# KiCad board CA80.kicad_pcb (continued)
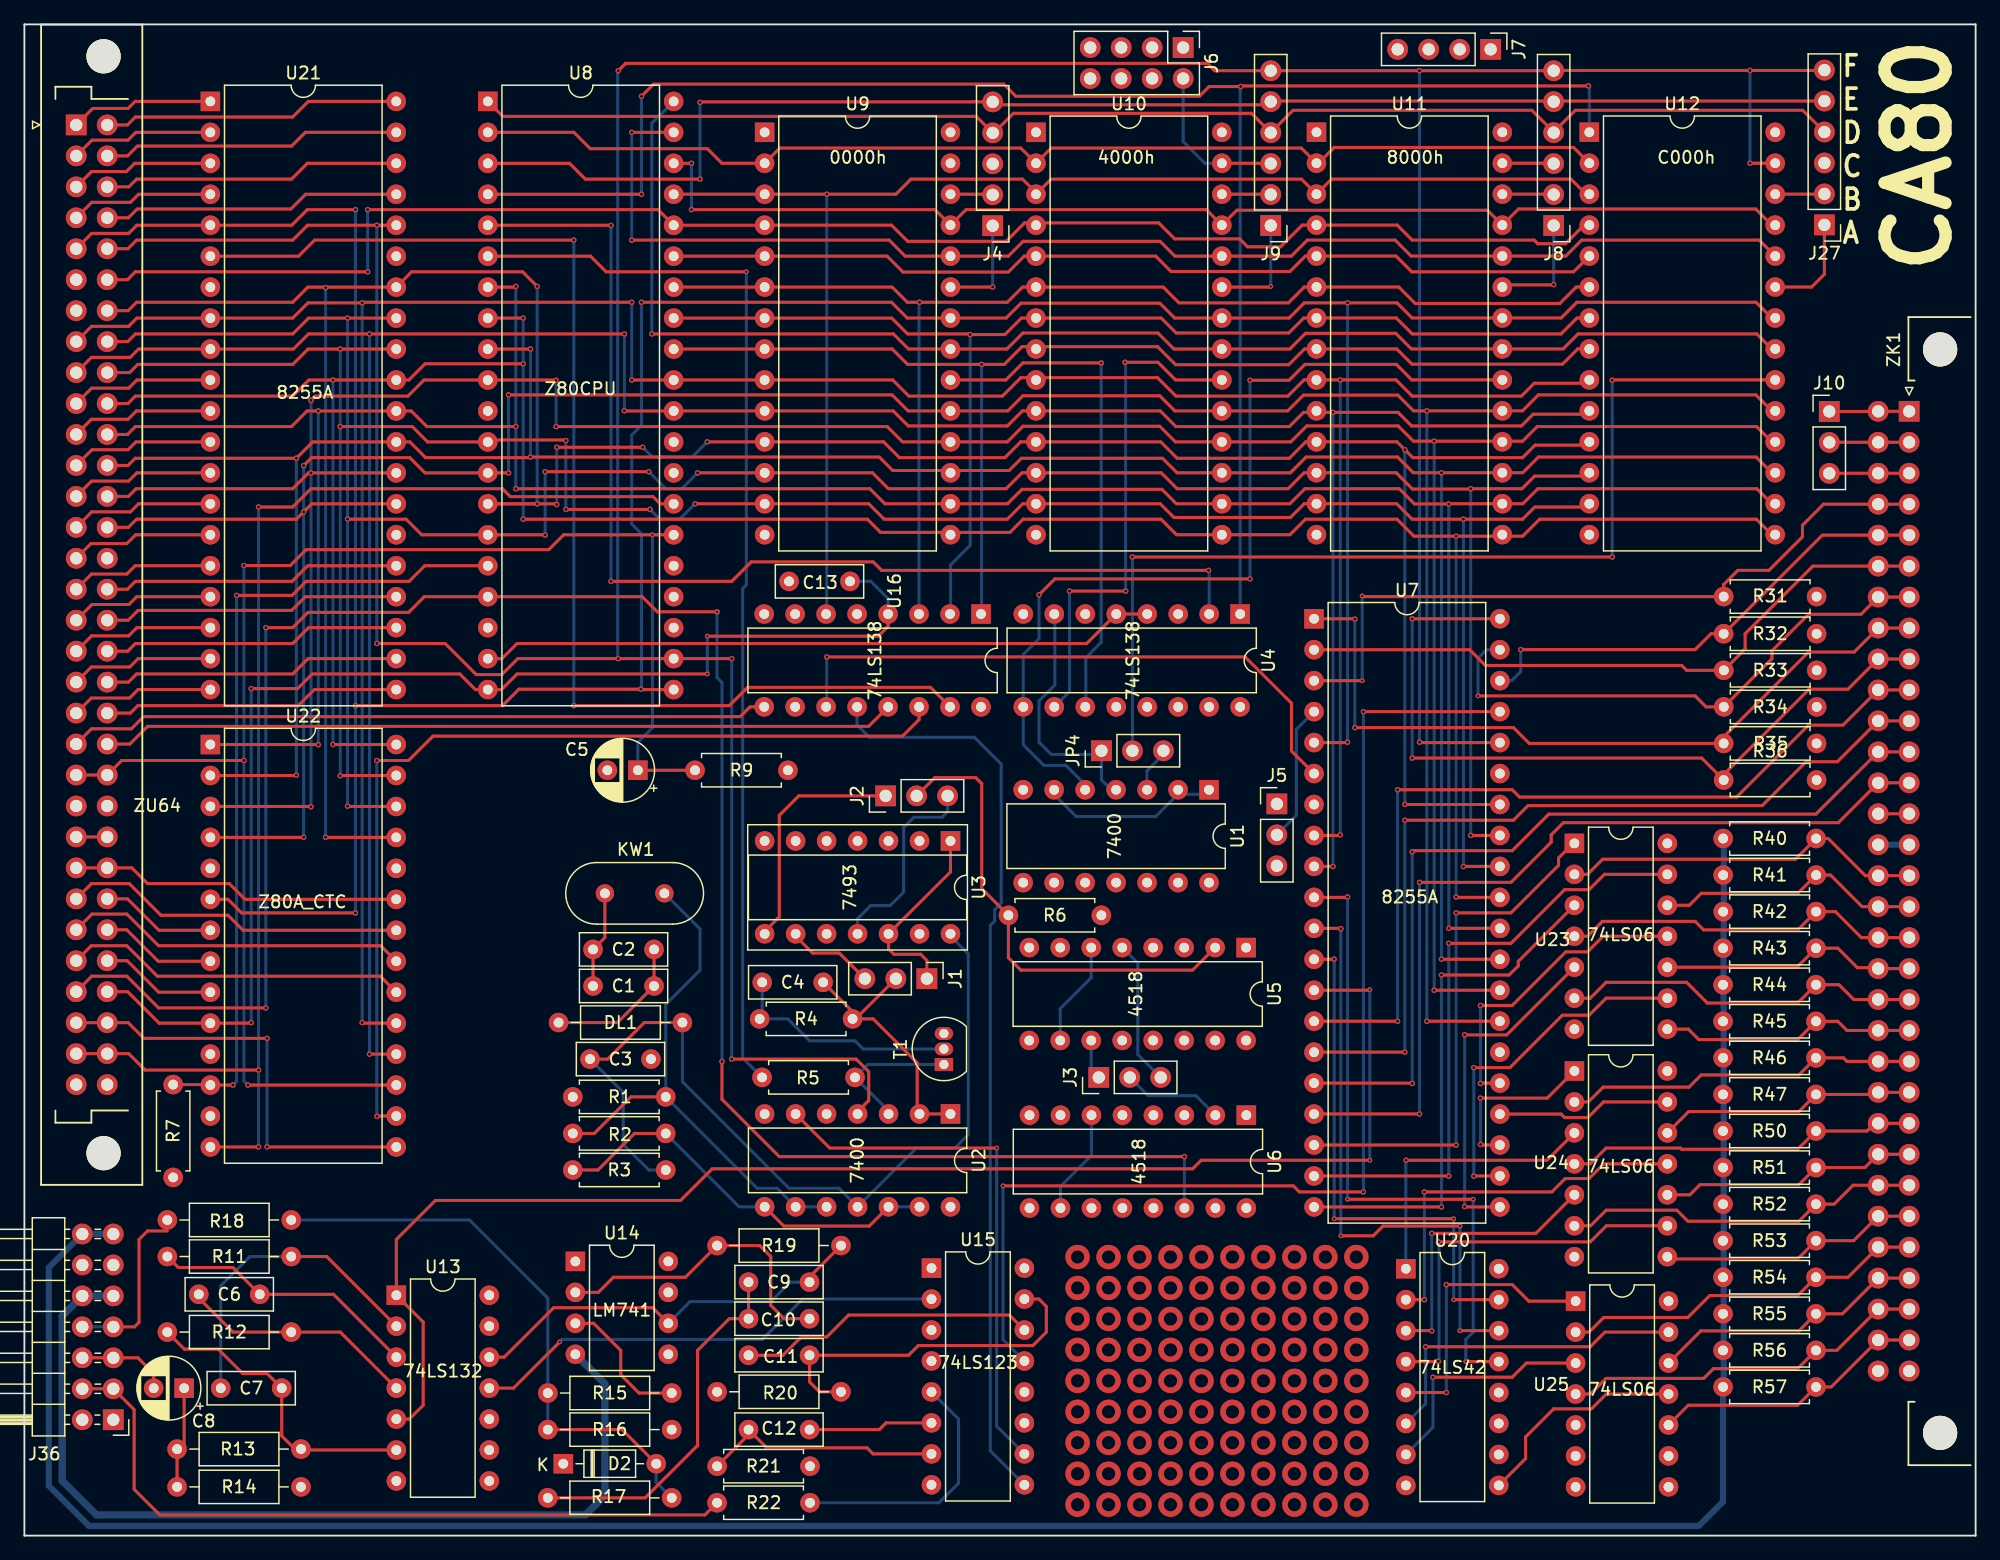
[diagram p0: board, top side]
## Nets (continued)
Net-(JP4-B): JP4.3 U1.3
Net-(KW1-Pad1): KW1.1 R1.2 R2.2 U2.9 U2.10
Net-(R2-Pad1): R2.1 R3.1 U2.8 U2.12 U2.13
Net-(T1-B): C4.1 R4.1 T1.2
Net-(T1-C): R5.2 T1.1 U2.3
Net-(U1-Pad1): U1.1 U1.2 U1.6
Net-(U5A-Q4): U5.6 U5.10
Net-(U6A-Q4): U6.6 U6.10
Net-(U14-+): R15.2 U14.3
Net-(U14--): C10.1 R19.1 U14.2
Net-(U15A-B): U13.11 U15.2
Net-(U15A-Cext): C11.1 U15.14
Net-(U15A-RCext): C11.2 R20.2 U15.15
Net-(U15B-A): U15.9 U16.12
Net-(U15B-B): U2.6 U15.10
Net-(U15B-Cext): C12.2 U15.6
Net-(U15B-Q): R22.1 U15.5
Net-(U15B-RCext): C12.1 R21.1 U15.7
Net-(U20-0): U20.1 U24.3
Net-(U20-1): U20.2 U24.11
Net-(U20-2): U20.3 U24.5
Net-(U20-3): U20.4 U24.9
Net-(U20-4): U20.5 U25.1
Net-(U20-5): U20.6 U25.13
Net-(U20-6): U20.7 U25.3
Net-(U20-7): U20.9 U25.11
Net-(ZK1-14A): ZK1.A14 ZK1.B14
Net-(ZK1-16A): R40.1 U23.2 ZK1.A16 ZK1.B16
Net-(ZK1-17A): R41.1 U23.12 ZK1.A17 ZK1.B17
Net-(ZK1-18A): R42.1 U23.4 ZK1.A18 ZK1.B18
Net-(ZK1-19A): R43.1 U23.10 ZK1.A19 ZK1.B19
Net-(ZK1-20A): R44.1 U23.6 ZK1.A20 ZK1.B20
Net-(ZK1-21A): R45.1 U23.8 ZK1.A21 ZK1.B21
Net-(ZK1-22A): R46.1 U24.2 ZK1.A22 ZK1.B22
Net-(ZK1-23A): R47.1 U24.12 ZK1.A23 ZK1.B23
Net-(ZK1-24A): R50.1 U24.4 ZK1.A24 ZK1.B24
Net-(ZK1-25A): R51.1 U24.10 ZK1.A25 ZK1.B25
Net-(ZK1-26A): R52.1 U24.6 ZK1.A26 ZK1.B26
Net-(ZK1-27A): R53.1 U24.8 ZK1.A27 ZK1.B27
Net-(ZK1-28A): R54.1 U25.2 ZK1.A28 ZK1.B28
Net-(ZK1-29A): R55.1 U25.12 ZK1.A29 ZK1.B29
Net-(ZK1-30A): R56.1 U25.4 ZK1.A30 ZK1.B30
Net-(ZK1-31A): R57.1 U25.10 ZK1.A31 ZK1.B31
Net-(ZU64-24A): ZU64.A24 ZU64.B24

Pads without a net: J6 4 6 8; U1 7 8 11 14; U3 4 6 7 10 13; U4 12 13 14 15; U5 3 4 12 13 14; U6 3 4 5 11 12 13; U13 8; U14 1 5 8; U15 4 12; U20 10 11; U22 11; U25 6 8; ZU64 b32

## Via types
v1: diameter 2, hole 1.1, Top to Bottom, 90 vias
v2: diameter 0.45, hole 0.25, Top to Bottom, 185 vias
v3: diameter 0.4, hole 0.2, Top to Bottom, 22 vias
v4: diameter 0.45, hole 0.2, Top to Bottom, 3 vias

## Routing (per net, layer and track width the routed paths; a pad name or vN(x,y) marks a point on that pad's centre or on a via; arc(x,y) is an arc through that point)
/+30V: length 218.3
  Bottom w0.5: R40.2 139.35,57.15 139.35,49.6 139.32,49.57 139.32,43.55 ; J36.13 J36.14 2,22 2,4.1 5.3,0.8 137.3,0.8 139.29,2.79 R57.2 139.34,12.25 139.34,43.6
GND: length 0
  Bottom w1: 127.08,22.9 U24.7
VCC: length 3
  Bottom w0.5: 151.7,57 ZK1.B15 ZK1.A15
VEE: length 77.3
  Bottom w0.6: U14.4 47.6,12.46 47.6,3.3 46,1.7 5.9,1.7 3.1,4.5 3.1,18.02 J36.10 J36.9
(no net):
  vias: v1(86.36,22.86) v1(86.36,20.32) v1(86.36,17.78) v1(86.36,15.24) v1(86.36,12.7) v1(86.36,10.16) v1(86.36,7.62) v1(86.36,5.08) v1(86.36,2.54) v1(88.9,22.86) v1(88.9,20.32) v1(88.9,17.78) v1(88.9,15.24) v1(88.9,12.7) v1(88.9,10.16) v1(88.9,7.62) v1(88.9,5.08) v1(88.9,2.54) v1(91.44,22.86) v1(91.44,20.32) v1(91.44,17.78) v1(91.44,15.24) v1(91.44,12.7) v1(91.44,10.16) v1(91.44,7.62) v1(91.44,5.08) v1(91.44,2.54) v1(93.98,22.86) v1(93.98,20.32) v1(93.98,17.78) v1(93.98,15.24) v1(93.98,12.7) v1(93.98,10.16) v1(93.98,7.62) v1(93.98,5.08) v1(93.98,2.54) v1(96.52,22.86) v1(96.52,20.32) v1(96.52,17.78) v1(96.52,15.24) v1(96.52,12.7) v1(96.52,10.16) v1(96.52,7.62) v1(96.52,5.08) v1(96.52,2.54) v1(99.06,22.86) v1(99.06,20.32) v1(99.06,17.78) v1(99.06,15.24) v1(99.06,12.7) v1(99.06,10.16) v1(99.06,7.62) v1(99.06,5.08) v1(99.06,2.54) v1(101.6,22.86) v1(101.6,20.32) v1(101.6,17.78) v1(101.6,15.24) v1(101.6,12.7) v1(101.6,10.16) v1(101.6,7.62) v1(101.6,5.08) v1(101.6,2.54) v1(104.14,22.86) v1(104.14,20.32) v1(104.14,17.78) v1(104.14,15.24) v1(104.14,12.7) v1(104.14,10.16) v1(104.14,7.62) v1(104.14,5.08) v1(104.14,2.54) v1(106.68,22.86) v1(106.68,20.32) v1(106.68,17.78) v1(106.68,15.24) v1(106.68,12.7) v1(106.68,10.16) v1(106.68,7.62) v1(106.68,5.08) v1(106.68,2.54) v1(109.22,22.86) v1(109.22,20.32) v1(109.22,17.78) v1(109.22,15.24) v1(109.22,12.7) v1(109.22,10.16) v1(109.22,7.62) v1(109.22,5.08) v1(109.22,2.54)
/1MHz: length 39.5
  Top w0.25: U5.2 95.79,46.4 81.7,46.4 80.69,47.41 R6.1 78.5,53.09 78.5,61.7 78,62.2 74.66,62.2 J2.2
/4MHz: length 22.8
  Top w0.25: J1.2 68.16,42.4 R4.2 ; C4.2 67.91,42.99 R4.2 ; U2.1 U2.2 73.21,34.79 73.21,38.79 69.6,42.4 R4.2 ; 68.2,42.7 68.45,42.7
/8MHZ: length 73.5
  Top w0.25: C3.2 47.83,39.1 50.83,42.1 DL1.2
  Bottom w0.25: 75.75,49.38 77.4,47.73 77.4,32.9 76.3,31.8 73.14,31.8 U2.11 66.8,28.5 62.7,28.5 53.96,37.24 DL1.2 ; R3.2 51.2,30 49.1,32.1 49.1,36.38 C3.2
/50KHz: length 8.3
  Bottom w0.25: U6.2 96.06,36.1 92.14,36.1 J3.2
/A0: length 234.7
  Top w0.25: v2(49.2,98.6) v2(28.3,98.6) 23.3,98.6 22.06,97.36 9.36,97.36 8.68,96.67 5.5,96.67 ZU64.A9 ; 128.32,92.02 123.72,92.02 122.75,91.05 113.75,91.05 112.64,92.17 v2(107.3,92.17) 104.89,92.17 103.72,91 94.42,91 93.14,92.28 81.83,92.28 80.6,91.05 72.47,91.05 71.24,92.28 53.24,92.28 U8.30 49.22,92.28 ; v2(107.3,54.9) 107.29,54.91 U7.9 ; U22.18 28.31,39.51 v2(28.3,39.5)
  Bottom w0.25: v2(28.3,39.5) v2(28.3,98.6) ; v2(49.2,98.6) v2(49.2,92.3) ; v2(107.3,54.9) v2(107.3,92.17)
/A1: length 236.5
  Top w0.25: v2(27.7,42.1) 27.75,42.05 U22.19 ; ZU64.A8 5.5,99.22 8.54,99.22 9.22,99.9 22,99.9 23.25,101.15 v2(27.7,101.15) 27.75,101.2 v2(49.8,101.2) ; v2(107.9,57.5) 107.85,57.45 U7.8 ; v2(49.8,94.82) U8.31 53.24,94.83 71.2,94.83 72.53,93.5 80.2,93.5 81.72,95.02 92.91,95.02 94.42,93.5 103.6,93.5 104.93,94.83 v2(107.9,94.83) 112.47,94.83 113.8,93.5 122.75,93.5 123.81,94.56 128.32,94.56
  Bottom w0.25: v2(49.8,101.2) v2(49.8,94.82) ; v2(107.9,94.83) v2(107.9,57.5) ; v2(27.7,101.15) v2(27.7,42.1)
/A2: length 98.9
  Top w0.25: U8.32 53.24,97.36 U9.8 71.16,97.36 72.42,96.1 v2(78.5,96.1) 80.35,96.1 81.81,97.56 92.92,97.56 94.4,96.08 103.67,96.08 104.97,97.37 112.53,97.37 113.78,96.12 126.12,96.12 127.37,97.37 U12.8
  Bottom w0.25: U16.1 78.49,75.67 78.49,96.09 v2(78.5,96.1)
/A3: length 101.9
  Top w0.25: U12.7 127.31,99.91 126,98.6 113.8,98.6 112.49,99.91 104.91,99.91 103.68,98.68 94.44,98.68 93.22,99.91 81.75,99.91 80.4,98.55 v2(77.55,98.55) 77.5,98.6 72.42,98.6 71.12,99.9 U8.33
  Bottom w0.25: U16.2 75.95,75.67 75.95,79.65 77.55,81.25 v2(77.55,98.55)
/A4: length 103.9
  Top w0.25: U8.34 53.24,102.44 71.16,102.44 72.4,101.2 v2(73.4,101.2) 80.6,101.2 81.84,102.44 93.38,102.44 94.67,101.15 103.65,101.15 104.95,102.45 112.7,102.45 114.05,101.1 125.9,101.1 127.25,102.45 U12.6
  Bottom w0.25: U16.3 73.36,101.16 v2(73.4,101.2)
/A5: length 78.3
  Top w0.25: U8.35 53.24,104.98 70.74,104.98 72.05,103.67 80.67,103.67 81.98,104.98 92.77,104.98 94.03,103.72 103.78,103.72 105.04,104.99 112.47,104.99 113.76,103.7 127.03,103.7 U12.5
/A6: length 131.3
  Top w0.25: v2(28.15,108.8) 51.96,108.8 U8.36 60.7,107.52 U9.4 71.1,107.53 72.42,106.2 80.5,106.2 82.02,107.72 93.01,107.72 94.33,106.4 99.65,106.4 100.3,105.75 103,105.75 104.78,107.53 112.57,107.53 113.8,106.3 123.8,106.3 124.1,106 126.36,106 127.61,107.25 128.32,107.25 ; v2(28.15,103.7) 9.1,103.7 8.45,103.05 ZU64.B6
  Bottom w0.25: v2(28.15,108.8) v2(28.15,103.7)
/A7: length 112.8
  Top w0.25: U8.37 53.24,110.06 v2(65.8,110.06) 71.46,110.06 72.69,111.3 81.85,111.3 83.08,110.06 83.08,110.2 84.19,111.3 104.72,111.3 U11.3 107.18,111.3 126.82,111.3 128.32,109.8
  Bottom w0.25: v2(65.8,110.06) 65.79,110.06 65.79,75.67 U16.6
/A8: length 97.9
  Top w0.25: U8.38 v2(54.7,112.6) ; v2(54.7,108.8) 74.67,108.8 U9.25 77.22,108.8 96.92,108.8 U10.25 99.42,108.75 119.97,108.75 U11.25 122.51,108.85 141.97,108.85 143.56,107.25
  Bottom w0.25: v2(54.7,112.6) v2(54.7,108.8)
/A9: length 109.8
  Top w0.25: 49.8,106.22 v2(49.8,106.3) 70.91,106.3 72.22,104.98 80.69,104.98 81.9,106.2 93.12,106.2 94.34,104.98 103.89,104.98 105.2,106.3 112.4,106.3 113.71,104.99 126.39,104.99 127.7,106.3 142.25,106.3 U12.24 ; v2(49.8,115.14) U8.39
  Bottom w0.25: v2(49.8,115.14) v2(49.8,106.3)
/A10: length 115.7
  Top w0.25: v2(51.45,98.6) 71.26,98.6 72.5,97.36 80.56,97.36 81.88,98.68 92.94,98.68 94.26,97.36 103.77,97.36 105.05,98.65 112.45,98.65 113.73,97.37 126.17,97.37 127.4,98.6 142.06,98.6 143.56,97.09
  Bottom w0.25: v2(51.45,98.6) 51.45,115.89 U8.40
/A11: length 115.3
  Top w0.25: 79.1,115.1 79.5,115.1 81.1,116.7 100.62,116.7 J9.4 104.03,116.95 123.62,116.95 125.4,115.17 127.18,116.95 145.82,116.95 J27.4 ; U8.1 39.23,116.45 78.05,116.45 J4.4
/A12: length 94.5
  Top w0.25: U8.2 45.06,115.14 46.4,113.8 56,113.8 57.2,112.61 U9.2 61.95,113.85 81.7,113.85 U10.2 84.19,113.85 104.71,113.85 U11.2 106.11,112.61 107.4,113.9 127.03,113.9 U12.2
/A13: length 117
  Top w0.25: v2(55.4,117.6) 55.44,117.64 J4.5 ; U8.3 44.7,112.6 46,111.3 v2(55.4,111.3) ; J27.5 102.25,117.71 J9.5 101.94,117.4 79.34,117.4 79.1,117.64
  Bottom w0.25: v2(55.4,111.3) v2(55.4,117.6)
/A14: length 146.6
  Top w0.25: v2(50.6,110.06) U8.4 ; v2(50.6,118.1) 51.6,119.1 80.3,119.1 81.3,118.1 96.35,118.1 97.15,118.9 v2(99.74,118.9) 99.79,118.95 v2(128.25,118.95)
  Bottom w0.25: v2(99.74,118.9) 99.69,118.85 U4.1 ; U12.1 128.32,118.88 v2(128.25,118.95) ; v2(50.6,118.1) v2(50.6,110.06)
/A15: length 92.9
  Top w0.25: v2(97.1,79.2) 70.3,79.2 69.6,79.9 59.6,79.9 58,78.3 v2(48.1,78.3) ; v2(48.1,107.5) 48.08,107.52 U8.5
  Bottom w0.25: v2(48.1,78.3) v2(48.1,107.5) ; U4.2 97.15,79.15 v2(97.1,79.2)
/CLK: length 35.7
  Top w0.25: ZU64.A30 8.51,42.09 9.8,40.8 v2(19.9,40.8) ; v2(19.9,31.9) 19.91,31.89 U22.15
  Bottom w0.25: v2(19.9,40.8) v2(19.9,31.9)
/CLK0: length 27.3
  Top w0.25: ZU64.A25 ZU64.B25 8.81,54.79 10.1,53.5 16.8,53.5 18.09,52.21 U22.23
/CLK1: length 28.3
  Top w0.25: U22.22 17.93,49.67 16.7,50.9 11.2,50.9 8.6,53.5 5.5,53.5 ZU64.A26
/CLK2: length 28.4
  Top w0.25: ZU64.A27 5.54,51 8.4,51 11,48.4 29.22,48.4 U22.21
/CLK3: length 28.3
  Top w0.25: U22.20 29.18,45.9 10.9,45.9 8.4,48.4 5.48,48.4 ZU64.A28
/D0: length 245.8
  Top w0.25: v2(42.05,102.5) 40.85,103.7 31.75,103.7 U21.34 23.24,102.44 22,101.2 9.2,101.2 8.51,100.51 ZU64.B7 ; v2(56,89.75) U9.11 70.45,89.75 71.75,88.45 80.4,88.45 81.69,89.75 93.18,89.75 94.53,88.4 103.72,88.4 105.08,89.75 112.55,89.75 v2(113.2,89.1) 113.85,88.45 122.85,88.45 123.88,89.47 128.32,89.47 ; U7.34 113.21,59.99 v2(113.2,60) ; v2(43.65,84.6) 43.59,84.66 U8.14 v2(42.05,84.66) ; v2(24.7,57.3) 24.71,57.29 U22.25 ; v2(43.65,89.3) v2(50.7,89.3)
  Bottom w0.25: v2(50.7,89.3) 51.5,88.5 54.76,88.5 v2(56,89.75) ; v2(24.7,57.3) v2(24.7,102.4) ; v2(43.65,89.3) v2(43.65,84.6) ; v2(42.05,102.5) v2(42.05,84.66) ; v2(113.2,89.1) v2(113.2,60)
/D1: length 211.2
  Top w0.25: 55.2,87.2 U9.12 69.55,87.2 70.85,85.9 80.5,85.9 81.81,87.2 93.22,87.2 94.53,85.9 103.62,85.9 104.94,87.21 112.49,87.21 113.83,85.88 118.58,85.88 v2(118.6,85.9) 122.8,85.9 123.83,86.94 128.32,86.94 ; v2(42.7,87.3) v2(51.2,87.3) ; v2(26.5,83.4) 31.3,83.4 32.58,82.12 U8.15 42.68,82.12 v2(42.7,82.1) ; U22.26 26.52,59.83 v2(26.5,59.85) ; v2(118.6,57.45) U7.33 ; U21.33 v2(26.5,99.9) 23.3,99.9 22,98.6 9.1,98.6 8.47,97.97 ZU64.B8
  Bottom w0.25: v2(51.2,87.3) 52.6,85.9 53.9,85.9 v2(55.2,87.2) ; v2(26.5,59.85) v2(26.5,83.4) v2(26.5,99.9) ; v2(118.6,85.9) v2(118.6,57.45) ; v2(42.7,82.1) v2(42.7,87.3)
/D2: length 208.1
  Top w0.25: v2(25.9,62.35) 25.92,62.37 U22.27 30.5,62.38 ; v2(25.9,91) 31.8,91 33.06,89.74 U8.12 38.16,89.9 44.35,89.9 v2(44.4,89.85) ; U7.32 118.01,54.91 v2(118,54.9) ; v2(55,84.67) U9.13 69.23,84.67 70.5,83.4 80.6,83.4 81.86,84.67 93.14,84.67 94.26,83.54 103.81,83.54 104.94,84.67 112.52,84.67 113.79,83.4 v2(118,83.4) 122.85,83.4 123.84,84.39 128.32,84.39 ; U21.32 v2(25.9,97.36) 23.26,97.36 22,96.1 9.3,96.1 8.63,95.43 ZU64.B9 ; v2(44.4,84.2) v2(51.3,84.2)
  Bottom w0.25: v2(44.4,89.85) v2(44.4,84.2) ; v2(55,84.67) 53.73,83.4 52.1,83.4 v2(51.3,84.2) ; v2(25.9,62.35) v2(25.9,97.36) ; v2(118,83.4) v2(118,54.9)
/D3: length 229.6
  Top w0.25: v2(25.3,64.91) U22.28 ; 143.56,81.86 142.02,83.4 124.25,83.4 122.86,82 v2(117.4,82) 113.94,82 112.55,83.4 105.05,83.4 103.78,82.12 94.47,82.12 93.2,83.4 81.9,83.4 80.81,82.31 70.21,82.31 69.12,83.4 v2(40.9,83.4) ; ZU64.B10 8.49,92.89 9.1,93.5 22,93.5 23.32,94.82 v2(25.3,94.82) U21.31 31.52,94.82 32.85,96.15 v2(40.9,96.15) ; U8.8 v2(40.9,99.9) ; U7.31 117.43,52.37 v2(117.4,52.4)
  Bottom w0.25: v2(25.3,64.91) v2(25.3,94.82) ; v2(40.9,83.4) v2(40.9,99.9) ; v2(117.4,52.4) v2(117.4,82)
/D4: length 235.9
  Top w0.25: U22.1 24.09,64.91 v2(24.1,64.9) ; v2(40.3,85.9) 69.33,85.9 70.56,84.67 80.61,84.67 81.8,85.85 93.28,85.85 94.46,84.67 103.77,84.67 105,85.9 112.74,85.9 113.99,84.65 v2(116.8,84.65) 116.82,84.67 122.87,84.67 124.1,85.9 142.06,85.9 143.56,84.39 ; U8.7 40.24,102.44 v2(40.3,102.5) ; v2(40.3,91) 33,91 31.72,92.28 U21.30 v2(24.1,92.28) 23.18,92.28 21.9,91 9.1,91 8.45,90.35 ZU64.B11 ; v2(116.8,49.83) U7.30
  Bottom w0.25: v2(116.8,84.65) v2(116.8,49.83) ; v2(24.1,92.28) v2(24.1,64.9) ; v2(40.3,85.9) v2(40.3,102.5)
/D5: length 231.9
  Top w0.25: v2(22.3,62.4) 22.27,62.37 U22.2 ; U7.29 116.21,47.29 v2(116.2,47.3) ; v2(41.5,97.36) U8.9 ; ZU64.B12 8.5,87.81 9.09,88.4 v2(22.3,88.4) 23.64,89.74 U21.29 31.61,89.74 32.9,88.45 41.45,88.45 v2(41.5,88.5) 70.1,88.5 71.2,87.39 80.75,87.39 81.75,88.4 93.33,88.4 94.52,87.2 103.81,87.2 105.1,88.5 112.6,88.5 113.89,87.21 v2(116.2,87.21) 122.86,87.21 124.15,88.5 142,88.5 143.56,86.94
  Bottom w0.25: v2(41.5,88.5) v2(41.5,97.36) ; v2(116.2,87.21) v2(116.2,47.3) ; v2(22.3,88.4) v2(22.3,62.4)
/D6: length 244.9
  Top w0.25: v2(23.5,59.8) 23.47,59.83 U22.3 ; ZU64.B13 8.53,85.27 9.16,85.9 22,85.9 23.3,87.2 v2(23.5,87.2) U21.28 ; v2(43.6,94.8) 43.58,94.82 U8.10 32.77,94.82 31.45,93.5 23.85,93.5 v2(23.5,93.15) ; v2(43.6,91) 70.75,91 72,89.75 80.59,89.75 81.88,91.03 93.1,91.03 94.38,89.75 103.84,89.75 105.15,91.05 112.65,91.05 113.9,89.8 v2(115.6,89.8) 122.85,89.8 124.05,91 142.04,91 143.56,89.47 ; v2(115.6,44.75) U7.28
  Bottom w0.25: v2(23.5,93.15) v2(23.5,87.2) v2(23.5,59.8) ; v2(43.6,94.8) v2(43.6,91) ; v2(115.6,89.8) v2(115.6,44.75)
/D7: length 250.4
  Top w0.25: U21.27 23.56,84.66 v2(22.9,84) 22.3,83.4 9.2,83.4 8.53,82.73 ZU64.B14 ; v2(22.9,87.8) 23.55,88.45 31.6,88.45 32.85,87.2 U8.13 v2(39.7,87.2) ; U7.27 115.01,42.21 v2(115,42.2) ; 143.56,92.02 141.98,93.6 124.15,93.6 122.84,92.29 v2(115,92.29) 113.91,92.29 112.62,93.58 104.88,93.58 103.58,92.28 94.34,92.28 93.1,93.53 81.88,93.53 80.64,92.28 72.47,92.28 71.15,93.6 v2(39.7,93.6) ; U22.4 22.89,57.29 v2(22.9,57.3)
  Bottom w0.25: v2(39.7,93.6) v2(39.7,87.2) ; v2(22.9,57.3) v2(22.9,84) v2(22.9,87.8) ; v2(115,92.29) v2(115,42.2)
/M1: length 8.5
  Top w0.25: U9.23 79.39,102.44 v2(79.4,102.45)
  Bottom w0.25: v2(79.4,102.45) J4.1
/M2: length 9
  Top w0.25: v3(102.2,102.5) 102.14,102.44 U10.23
  Bottom w0.25: v3(102.2,102.5) J9.1
/M3: length 9.1
  Top w0.25: v2(125.4,102.65) 125.38,102.62 121.36,102.62 U11.23
  Bottom w0.25: v2(125.4,102.65) J8.1
/M4: length 8.5
  Top w0.25: J27.1 147.6,103.5 146.55,102.45 U12.23
/M5: length 3.5
  Top w0.25: J4.2 79.36,110.06 U9.26
/M6: length 4
  Top w0.25: J9.2 102.17,110.06 U10.26
/M7: length 4.2
  Top w0.25: 125.4,110.09 125.38,110.07 U11.26
/M8: length 4
  Top w0.25: U12.26 147.58,110.07 J27.2
/PA0: length 11.8
  Top w0.25: U21.4 9.36,110.06 8.7,109.4 5.52,109.4 ZU64.A4
/PA0-1: length 11.4
  Bottom w0.25: J5.2 104.3,59.1 104.3,66.16 U7.4
/PA1: length 11.8
  Top w0.25: U21.3 9.04,112.6 8.37,111.92 5.5,111.92 ZU64.A3
/PA1-1: length 60
  Top w0.25: v3(109.7,70.15) U7.3 ; ZK1.A4 ZK1.B4 147.53,84.63 145.8,82.9 145.8,81.95 143.05,79.2 140.5,79.2 139.34,78.04 R31.1 109.75,77.05 v3(109.7,77.1)
  Bottom w0.25: v3(109.7,70.15) v3(109.7,77.1)
/PA2: length 11.8
  Top w0.25: U21.2 9.14,115.14 8.5,114.5 5.54,114.5 ZU64.A2
/PA2-1: length 54.1
  Top w0.25: U7.2 118.51,72.69 119.8,71.4 135.9,71.4 136.3,71 R33.1 ; 139.35,70.65 R33.1 ; R33.1 141.1,72.75 141.1,74 146.65,79.55 ZK1.B6 ZK1.A6
/PA3: length 11.8
  Top w0.25: U21.1 9.08,117.68 8.5,117.1 5.6,117.1 ZU64.A1
/PA3-1: length 62.5
  Top w0.25: v2(109.1,75.2) 109.07,75.23 U7.1 ; ZK1.A8 ZK1.B8 150.04,72.5 146.3,72.5 139.34,65.54 R35.1 123.4,65 122.1,66.3 v2(109.1,66.3)
  Bottom w0.25: v2(109.1,66.3) v2(109.1,75.2)
/PA4: length 24.5
  Top w0.25: U21.40 23.28,117.68 22,116.4 9.1,116.4 8.45,115.75 ZU64.B1
/PA4-1: length 64.5
  Top w0.25: v2(113.8,63.8) 137.54,63.8 R36.1 139.34,62.44 146.35,69.45 149.53,69.45 ZK1.B9 ZK1.A9 ; v2(113.8,75.23) U7.40
  Bottom w0.25: v2(113.8,75.23) v2(113.8,63.8)
/PA5: length 24.5
  Top w0.25: U21.39 23.04,115.14 21.91,114.02 9.27,114.02 8.46,113.21 ZU64.B2
/PA5-1: length 45
  Top w0.25: v3(119.2,68.9) 137,68.9 137.9,68 R34.1 143.3,71.95 143.3,72.6 146.3,75.6 150.6,75.6 ZK1.B7 ZK1.A7
  Bottom w0.25: v3(119.2,68.9) 119.2,72 119.89,72.69 U7.39
/PA6: length 24.5
  Top w0.25: ZU64.B3 8.57,110.67 9.2,111.3 21.9,111.3 23.2,112.6 U21.38
/PA6-1: length 39.6
  Top w0.25: ZK1.A5 ZK1.B5 147.43,82.09 R32.1 138.3,74 137,72.7 v2(122.7,72.7)
  Bottom w0.25: U7.38 121.95,70.15 122.7,70.9 v2(122.7,72.7)
/PA7: length 24.5
  Top w0.25: U21.37 23.06,110.06 21.85,108.85 9.25,108.85 8.53,108.13 ZU64.B4
/PA7-1: length 95.4
  Top w0.25: v2(109.8,28.2) 104.55,28.2 104.05,28.7 v3(80.25,28.7) ; v2(109.8,67.6) 109.81,67.61 U7.37
  Bottom w0.25: U15.13 80.25,16.08 v3(80.25,28.7) ; v2(109.8,28.2) v2(109.8,67.6)
/PB0: length 11.8
  Top w0.25: U21.18 9.22,74.5 8.55,73.83 5.5,73.83 ZU64.A18
/PB0-1: length 43.1
  Top w0.25: U23.1 127,56.8 125.8,55.6 125.8,55 121.9,51.1 v2(117.4,51.1) ; v2(117.4,32.05) U7.18
  Bottom w0.25: v2(117.4,32.05) v2(117.4,51.1)
/PB1: length 11.8
  Top w0.25: ZU64.A19 5.5,71.28 8.64,71.28 9.33,71.96 U21.19
/PB1-1: length 50.4
  Top w0.25: v2(116.8,29.5) 116.79,29.51 U7.19 ; v2(116.8,48.6) 121.9,48.6 126.3,53 128.3,53 129.56,54.26 U23.13
  Bottom w0.25: v2(116.8,29.5) v2(116.8,48.6)
/PB2: length 11.8
  Top w0.25: U21.20 9.32,69.42 8.62,68.72 5.49,68.72 ZU64.A20
/PB2-1: length 43
  Top w0.25: v2(116.2,26.97) U7.20 ; U23.3 122.5,47.12 122.5,46.75 121.75,46 v2(116.2,46)
  Bottom w0.25: v2(116.2,26.97) v2(116.2,46)
/PB3: length 24.5
  Top w0.25: U21.21 23.77,69.42 22.45,68.1 9.3,68.1 8.69,67.49 ZU64.B20
/PB3-1: length 28.3
  Top w0.25: U7.21 118.13,26.97 v2(118.1,27) ; v2(118.1,41.1) 118.11,41.09 121.55,41.09 U23.5
  Bottom w0.25: v2(118.1,41.1) v2(118.1,27)
/PB4: length 24.5
  Top w0.25: U21.22 23.26,71.96 22,70.7 9.2,70.7 8.53,70.03 ZU64.B19
/PB4-1: length 29.3
  Top w0.25: U23.9 129.7,44.1 128.3,42.7 126.11,42.7 121.81,38.4 v2(118.85,38.4) ; v2(118.85,29.5) 118.86,29.51 U7.22
  Bottom w0.25: U7.22 120.98,29.5 ; v2(118.85,29.5) v2(118.85,38.4)
/PB5: length 24.5
  Top w0.25: U21.23 23.3,74.5 22,73.2 9.1,73.2 8.47,72.57 ZU64.B18
/PB5-1: length 14
  Top w0.25: v2(119.4,32.1) 119.45,32.05 U7.23 ; U24.1 124.88,35.9 v2(119.4,35.9)
  Bottom w0.25: v2(119.4,35.9) v2(119.4,32.1)
/PB6: length 24.5
  Top w0.25: U21.24 23.04,77.04 21.91,75.92 9.31,75.92 8.51,75.11 ZU64.B17
/PB6-1: length 14.8
  Top w0.25: U7.24 126.01,34.59 126.3,34.3 128.2,34.3 129.49,35.59 U24.13
  Bottom w0.25: U7.24 121.28,34.3
/PB7: length 24.5
  Top w0.25: ZU64.B16 8.45,77.65 9.1,78.3 21.95,78.3 23.23,79.58 U21.25
/PB7-1: length 25.7
  Top w0.25: U23.11 129.45,49.18 128.17,47.9 126.4,47.9 122,43.5 v2(119.4,43.5) ; U7.25 119.43,37.13 v2(119.4,37.1)
  Bottom w0.25: v2(119.4,37.1) v2(119.4,43.5)
/PC0: length 11.8
  Top w0.25: ZU64.A14 5.52,84 8.7,84 9.36,84.66 U21.14
/PC0-1: length 71.7
  Top w0.25: v2(112.6,42.2) 112.59,42.21 U7.14 ; ZK1.A10 ZK1.B10 149.12,66.5 146.3,66.5 140.4,60.6 122.6,60.6 122,61.2 v2(112.6,61.2)
  Bottom w0.25: v2(112.6,42.2) v2(112.6,61.2)
/PC1: length 11.8
  Top w0.25: ZU64.A15 5.46,81.4 8.4,81.4 9.12,82.12 U21.15
/PC1-1: length 71.2
  Top w0.25: v2(113.2,39.67) U7.15 ; ZK1.A11 ZK1.B11 148.66,63.5 146.1,63.5 142.5,59.9 123.3,59.9 122.1,58.7 v2(113.2,58.7)
  Bottom w0.25: v2(113.2,39.67) v2(113.2,58.7)
/PC2: length 11.8
  Top w0.25: ZU64.A16 5.5,78.9 8.4,78.9 9.08,79.58 U21.16
/PC2-1: length 71.2
  Top w0.25: U7.16 113.77,37.13 v2(113.8,37.1) ; ZK1.A12 ZK1.B12 146.9,59.2 125,59.2 122,56.2 113.9,56.2 v2(113.8,56.1)
  Bottom w0.25: v2(113.8,37.1) v2(113.8,56.1)
/PC3: length 11.8
  Top w0.25: U21.17 9.21,77.04 8.57,76.4 5.54,76.4 ZU64.A17
/PC3-1: length 71.5
  Top w0.25: ZK1.A13 ZK1.B13 148.74,58.5 126.2,58.5 125.2,57.5 125.2,56.9 121.9,53.6 v2(114.4,53.6) ; v2(114.4,34.6) 105.85,34.6 105.84,34.59 U7.17
  Bottom w0.25: v2(114.4,34.6) v2(114.4,53.6)
/PC4: length 11.8
  Top w0.25: ZU64.A13 5.5,86.53 8.54,86.53 9.21,87.2 U21.13
/PC4-1: length 118.3
  Top w0.25: v3(110.32,44.8) 110.27,44.75 U7.13 ; 30.5,9.56 31.57,9.56 32.7,10.7 32.7,17.52 U13.1 30.5,24.3 33.7,27.5 53.8,27.5 56.4,30.1 95.8,30.1 96.5,30.8 v3(110.32,30.8)
  Bottom w0.25: v3(110.32,44.8) v3(110.32,30.8)
/PC5: length 11.8
  Top w0.25: ZU64.A12 5.54,89.1 8.5,89.1 9.14,89.74 U21.12
/PC5-1: length 43.1
  Top w0.25: v2(107.4,47.3) 107.39,47.29 U7.12 ; v3(117.2,26) v3(107.4,26) ; U20.15 v3(117.2,19.36)
  Bottom w0.25: v3(117.2,19.36) v3(117.2,26) ; v3(107.4,26) v2(107.4,47.3)
/PC6: length 11.8
  Top w0.25: U21.11 9.18,92.28 8.5,91.6 5.5,91.6 ZU64.A11
/PC6-1: length 49.3
  Top w0.25: v3(107.95,24.6) 110.6,24.6 111.4,25.4 v3(117.72,25.4) ; v3(117.7,16.82) U20.14 ; v2(107.95,49.8) 107.92,49.83 U7.11
  Bottom w0.25: v3(107.95,24.6) v2(107.95,49.8) ; v3(117.72,25.4) 117.72,16.84 v3(117.7,16.82)
/PC7: length 11.8
  Top w0.25: ZU64.A10 5.51,94.15 8.55,94.15 9.22,94.82 U21.10
/PC7-1: length 54.1
  Top w0.25: v2(108.5,52.4) 108.47,52.37 U7.10 ; v3(108.5,27.6) v3(118.8,27.6) ; v3(118.2,14.28) U20.13
  Bottom w0.25: v3(118.8,27.6) 118.8,16.7 118.2,16.1 v3(118.2,14.28) ; v2(108.5,52.4) v3(108.5,27.6)
/RIN: length 14.2
  Top w0.25: J36.7 9.03,17.13 9.4,17.5 9.4,24.3 10.1,25 11.72,25
  Bottom w0.25: J36.7 J36.8
/ROUT: length 7.6
  Top w0.25: C8.2 10.6,13.3 9.31,14.59 J36.5 J36.6
/SYG: length 60.6
  Top w0.25: R22.2 55.8,1.7 11.1,1.7 9,3.8 9,10.34 J36.3 J36.4
/TO0: length 9.5
  Top w0.25: U22.7 11.03,49.67 8.45,52.25 ZU64.B26
/TO1: length 9.5
  Top w0.25: U22.8 10.97,47.13 8.39,49.71 ZU64.B27
/TO2: length 9.5
  Top w0.25: U22.9 11.01,44.59 8.43,47.17 ZU64.B28
/~{CE1}: length 41.7
  Top w0.25: U9.20 80.47,94.83 81.88,96.22 v4(88.3,96.22)
  Bottom w0.25: U4.11 87.04,68.05 87.04,72.04 88.3,73.3 v4(88.3,96.22)
/~{CE2}: length 42
  Top w0.25: v2(90.31,77.5) v2(85.7,77.5) ; U10.20 94.4,94.83 92.95,96.28 v4(90.25,96.28)
  Bottom w0.25: v2(90.31,77.5) 90.3,77.51 90.3,96.35 ; U4.10 85.7,69.25 v2(85.7,77.5)
/~{CE3}: length 76
  Top w0.25: v2(100.5,78.5) 84.5,78.5 v2(83.2,77.2) ; U11.20 113.77,94.83 112.5,96.1 105,96.1 103.7,94.8 v2(100.5,94.8)
  Bottom w0.25: v2(83.2,77.2) 83.2,73.6 81.91,72.31 81.91,64.89 83.6,63.2 85.4,63.2 86.97,61.63 86.97,60.83 ; v2(100.5,94.8) v2(100.5,78.5)
/~{CE4}: length 83.4
  Top w0.25: v2(90.85,80.3) v2(130.2,80.3) ; v2(130.2,94.8) 130.23,94.83 U12.20
  Bottom w0.25: 90.86,64.1 90.86,80.29 v2(90.85,80.3) ; v2(130.2,80.3) v2(130.2,94.8)
/~{CLK}: length 88.6
  Top w0.25: v3(59.2,103.7) 47.7,103.7 46.42,104.98 U8.6
  Bottom w0.25: v3(59.2,103.7) 59.2,78 58.9,77.7 58.9,39.19 R5.1
/~{CTF8}: length 77.7
  Top w0.25: U16.14 73.36,66.95 72.01,65.6 33.5,65.6 31.5,63.6 v2(28.9,63.6) ; U22.16 28.93,34.43 v2(28.9,34.4)
  Bottom w0.25: v2(28.9,63.6) v2(28.9,34.4)
/~{EME8}: length 65.3
  Top w0.25: ZU64.B21 8.65,64.95 10.1,66.4 69.22,66.4 U16.13
/~{INT}: length 66.8
  Top w0.25: v2(17.1,36.97) U22.12 15.21,37.01 R7.2 ; U8.16 32.83,79.58 31.55,78.3 23.1,78.3 21.95,77.15 v2(17.4,77.15)
  Bottom w0.25: v2(17.1,36.97) 17.4,37.27 v2(17.4,77.15)
/~{IORQ}: length 103.5
  Top w0.25: ZU64.B29 8.47,44.63 11.05,42.05 U22.10 18.55,42.05 v2(18.6,42.1) ; v3(56,70.7) 40.4,70.7 39.12,69.42 U8.20 36.98,69.42 35.7,70.7 23.6,70.7 22.4,69.5 v2(18.6,69.5) ; v3(56,73.8) 70.02,73.8 70.82,74.6 U16.4
  Bottom w0.25: v3(56,73.8) v3(56,70.7) ; C13.1 69.4,78.3 70.82,76.88 U16.4 ; v2(18.6,42.1) v2(18.6,69.5)
/~{M1}: length 107.1
  Top w0.25: U22.14 19.19,31.89 v2(19.2,31.9) ; v2(19.2,84.4) 22,84.4 23.5,85.9 39.2,85.9 39.85,85.25 51.55,85.25 52.14,84.66 U8.27 ; v2(19.2,38.2) 9.9,38.2 8.55,39.55 ZU64.A31
  Bottom w0.25: v2(19.2,84.4) v2(19.2,31.9)
/~{MREQ}: length 55.6
  Top w0.25: U8.19 39.16,71.96 40.4,73.2 87.11,73.2 U4.5 U4.4
/~{NMI}: length 171.2
  Top w0.25: v2(19.8,43.3) 11,43.3 8.4,45.9 5.52,45.9 ZU64.A29 ; v2(19.8,74.5) 22,74.5 23.25,75.75 31.5,75.75 32.79,77.04 U8.17 50.66,77.04 51.9,75.8 v4(56.8,75.8) ; v2(95.12,31.1) 61.9,31.1 57.2,35.8 v2(57.2,38.9)
  Bottom w0.25: v2(19.8,74.5) v2(19.8,43.3) ; v2(57.2,38.9) 57.2,70 56.8,70.4 v4(56.8,75.8) ; v2(95.12,31.1) U6.14
/~{PE4}: length 57.7
  Top w0.25: ZU64.A21 5.5,66.2 8.78,66.2 9.78,67.2 58.7,67.2 59.5,68 U16.9
/~{PEO}: length 100.7
  Top w0.25: v2(45.05,106.3) 23.8,106.3 22.48,104.98 U21.6 ; v2(45.05,68.1) 57.8,68.1 59.3,69.6 74.3,69.6 U16.15
  Bottom w0.25: v2(45.05,68.1) v2(45.05,106.3)
/~{PSYS}: length 50.3
  Top w0.25: U7.6 103.9,64.38 103.9,68.3 100.1,72.1 v2(65.8,72.1)
  Bottom w0.25: v2(65.8,72.1) 65.79,72.09 65.79,68.05 U16.11
/~{RD}: length 288.9
  Top w0.25: U22.6 16.69,52.21 17.8,51.1 v2(27.15,51.1) ; ZU64.A5 5.51,106.85 8.55,106.85 9.22,107.52 U21.5 21.92,107.52 23.2,108.8 v2(27.15,108.8) ; v2(108.5,65.1) 108.47,65.07 U7.5 ; v2(50.6,101.2) 71.1,101.2 72.39,99.91 80.5,99.91 81.72,101.12 93.1,101.12 94.32,99.91 103.7,99.91 104.95,101.15 v2(108.5,101.15) 112.55,101.15 113.79,99.91 126.01,99.91 127.3,101.2 142,101.2 143.56,99.64 ; v2(27.15,68.1) 39.2,68.1 40.55,69.45 v2(50.55,69.45) 50.58,69.42 U8.21
  Bottom w0.25: v2(27.15,51.1) v2(27.15,68.1) v2(27.15,108.8) ; v2(50.6,101.2) 50.6,91.1 49.8,90.3 49.8,83 50.6,82.2 50.6,69.5 v2(50.55,69.45) ; v2(108.5,101.15) v2(108.5,65.1)
/~{RESET}: length 130
  Top w0.25: v2(18,79.6) 21.8,79.6 23.1,80.9 43,80.9 44.22,82.12 v3(51.5,82.12) U8.26 ; v2(18,63.6) 7.98,63.6 ZU64.B22 ZU64.A22 ; C5.1 R9.2 ; v2(18.33,36.97) U22.17
  Bottom w0.25: v3(51.5,82.12) 51.5,66.3 50.31,65.11 C5.1 ; v2(18,79.6) v2(18,63.6) 18,37.3 v2(18.33,36.97)
/~{WR2}: length 13.1
  Top w0.25: J9.3 102.17,112.61 U10.27 98.22,112.58
  Bottom w0.25: U10.27 96.8,112.61 95.02,114.38 J6.2
/~{WR3}: length 4.3
  Top w0.25: J8.3 125.37,112.61 U11.27 121.22,112.58
/~{WR}: length 357.1
  Top w0.25: v2(114.4,65.1) 114.43,65.07 U7.36 ; ZU64.B5 8.49,105.59 9.2,106.3 22,106.3 23.22,107.52 v2(28.9,107.52) U21.36 ; v2(28.9,73.2) 34.5,73.2 37.05,70.65 39.15,70.65 40.46,71.96 v2(48.7,71.96) U8.22 v2(58,71.96) ; v2(58,39.1) 68.2,39.1 69.23,38.07 69.23,35.7 68.13,34.6 ; v2(141.5,112.6) 141.51,112.61 U12.27 ; v2(48.7,120.2) 49.3,120.8 97,120.8 97.6,120.2 J9.6 125.35,120.2 125.4,120.25 125.43,120.22 v2(141.5,120.22) 147.57,120.22 J27.6
  Bottom w0.25: v2(141.5,112.6) v2(141.5,120.22) ; v2(58,71.96) v2(58,39.1) ; v2(48.7,71.96) 48.65,72.01 48.65,120.15 v2(48.7,120.2) ; v2(28.9,107.52) v2(28.9,73.2) ; v2(114.4,65.1) v2(114.4,120.2)
Net-(C1-Pad1): length 12.1
  Top w0.25: C2.1 C1.1 48.63,42.1 DL1.1
Net-(C1-Pad2): length 8
  Top w0.25: C1.2 C2.2 47.6,49.07 KW1.2
Net-(C6-Pad1): length 22.2
  Top w0.25: 30.5,14.64 25.34,19.8 C6.1 17.1,22 12.62,22 R11.1
Net-(C6-Pad2): length 19.6
  Top w0.25: U13.4 25.91,16.7 R12.2 17.1,16.7 14.3,19.5 C6.2
Net-(C7-Pad1): length 26.2
  Top w0.25: R11.2 24.79,22.9 30.5,17.18
  Bottom w0.25: R11.2 18.5,22.9 16.1,20.5 C7.1
Net-(C7-Pad2): length 25.1
  Top w0.25: R12.1 13.12,15.3 15.9,15.3 17.9,13.3 19.9,13.3 C7.2 21.1,8.18 22.25,7.03 30.5,7.03
Net-(C8-Pad1): length 8.3
  Top w0.25: R14.1 12.52,6.6 13.1,7.18 C8.1
Net-(C9-Pad1): length 33.9
  Top w0.25: C9.1 64.38,21.22 R19.2 ; 38.12,14.64 39.34,14.64 43.4,18.7 51.52,18.7 U14.6
  Bottom w0.25: C9.1 62.8,20.8 61.2,19.2 54.58,19.2 U14.6
Net-(C10-Pad2): length 30.1
  Top w0.25: R17.2 50.9,3.1 55.2,7.4 55.2,15.2 57.8,17.8 C10.2 C9.2
Net-(D2-A): length 48
  Top w0.25: D2.2 49.01,8.7 R16.2
  Bottom w0.25: 42.92,8.6 42.92,19.48 36.5,25.9 R18.1 ; D2.2 51.81,4.37 R17.1
Net-(J1-A): length 16
  Top w0.25: U3.1 75.94,54.46 U3.12 70.86,48.14 71.3,47.7 73.5,47.7 74,47.2 J1.1
Net-(J1-B): length 7.4
  Top w0.25: J1.3 66.82,47.8 64.63,47.8 63.05,49.38
Net-(J2-A): length 19.7
  Top w0.25: J2.1 63.5,60.7 61.9,59.1 61.9,50.77 60.51,49.38
Net-(J2-B): length 16.7
  Bottom w0.25: U3.11 68.32,50.62 69.4,51.7 71,51.7 72.1,52.8 72.1,58.1 72.95,58.95 75.25,58.95 75.7,59.4 J2.3
Net-(J3-A): length 3.3
  Bottom w0.25: U5.11 87.48,38.22 J3.1
Net-(J3-B): length 12
  Bottom w0.25: U5.5 91.3,46.97 91.3,39.48 J3.3
Net-(J10-Pin_1): length 6.6
  Top w0.25: ZK1.A1 ZK1.B1 152,92.24 J10.1
Net-(J10-Pin_2): length 6.6
  Top w0.25: J10.2 148.01,89.71 ZK1.B2 ZK1.A2
Net-(J10-Pin_3): length 6.6
  Top w0.25: J10.3 148.01,87.17 ZK1.B3 ZK1.A3
Net-(JP4-A): length 20.4
  Bottom w0.25: 89.5,60.83 88.32,62.01 88.32,64.1 84.2,64.1 83.2,65.1 83.2,68.5 84.5,69.8 84.5,75.57 U4.7
Net-(JP4-B): length 3.8
  Bottom w0.25: 92.05,60.83 92.05,62.74 93.4,64.1
Net-(KW1-Pad1): length 44.8
  Top w0.25: R2.2 46.73,33 49.73,36 R1.2
  Bottom w0.25: 65.59,26.98 63.05,26.98 63.05,27.17 61.72,28.5 60.09,28.5 R1.2 52.59,43.59 55.4,46.4 55.4,49.78 KW1.1
Net-(R2-Pad1): length 34
  Top w0.25: U2.8 62.28,25.4 69.28,25.4 U2.12 ; R2.1 50.03,33 47.03,30 R3.1
  Bottom w0.25: U2.8 58.61,26.98 R2.1 ; 60.51,26.49 60.51,26.98 ; 73.21,26.98 70.67,26.98
Net-(T1-B): length 19.2
  Bottom w0.25: C4.1 60.5,42.61 R4.1 62.6,42.4 64.4,40.6 68.11,40.6 68.78,39.93 T1.2
Net-(T1-C): length 11.9
  Bottom w0.25: U2.3 70.86,34.85 R5.2 69.17,38.66 T1.1
Net-(U1-Pad1): length 14.2
  Bottom w0.25: 84.42,60.83 86.25,59 92.76,59 94.58,60.83 97.12,60.83
Net-(U5A-Q4): length 8.7
  Bottom w0.25: U5.6 87.48,45.78 84.94,43.24 U5.10
Net-(U6A-Q4): length 8.7
  Bottom w0.25: U6.6 87.5,31.2 84.96,28.66 U6.10
Net-(U14-+): length 11.4
  Top w0.25: U14.3 46.68,17.42 48.9,15.2 48.9,13.2 50.4,11.7 R15.2
Net-(U14--): length 25.6
  Top w0.25: C10.1 62.3,17.8 61.2,18.9 61.2,22.9 60.3,23.8 R19.1 54.2,21.2 48.3,21.2 47.06,19.96 U14.2
Net-(U15A-B): length 39.3
  Top w0.25: v3(43.9,15.9) 40.1,12.11 U13.11
  Bottom w0.25: U15.2 63.81,19.41 60.5,16.1 44.1,16.1 v3(43.9,15.9)
Net-(U15A-Cext): length 24.5
  Top w0.25: U15.14 80.77,18.1 67.59,18.1 65.79,16.3 63.7,16.3 62.2,14.8 C11.1
Net-(U15A-RCext): length 29.5
  Top w0.25: U15.15 83.19,19.41 83.8,18.8 83.8,16.7 82.7,15.6 73.3,15.6 72.5,14.8 C11.2 64.38,12.62 65.2,11.8 R20.2
Net-(U15B-A): length 75.3
  Bottom w0.25: U15.9 79.2,6.97 79.2,50.07 79.56,50.43 79.56,51.37 80.1,51.9 80.1,63.3 77.9,65.5 69.3,65.5 68.28,66.52 U16.12
Net-(U15B-B): length 43.7
  Top w0.25: v3(79.72,31.8) 66.04,31.8 U2.6
  Bottom w0.25: v3(79.72,31.8) 79.72,8.99 U15.10
Net-(U15B-Cext): length 10.2
  Top w0.25: U15.6 70.65,9.25 70.1,8.7 C12.2
Net-(U15B-Q): length 21.3
  Bottom w0.25: R22.1 75,2.7 76.6,4.3 76.6,9.57 U15.5
Net-(U15B-RCext): length 19.9
  Top w0.25: R21.1 59.38,8.28 C12.1 60.88,7.2 69.1,7.2 69.59,6.71 U15.7
Net-(U20-0): length 23.6
  Top w0.25: v2(113.3,30.8) 124.86,30.8 U24.3
  Bottom w0.25: v2(113.3,30.8) 113.28,30.78 U20.1
Net-(U20-1): length 31.2
  Top w0.25: U24.11 129.5,30.5 128.3,29.3 126.35,29.3 125.25,28.2 v2(114.8,28.2) ; v2(114.8,19.36) U20.2
  Bottom w0.25: v2(114.8,19.36) v2(114.8,28.2)
